# Altium PCB jetson-nano-0928-12.PcbDoc (part 4 of 6) (continued)
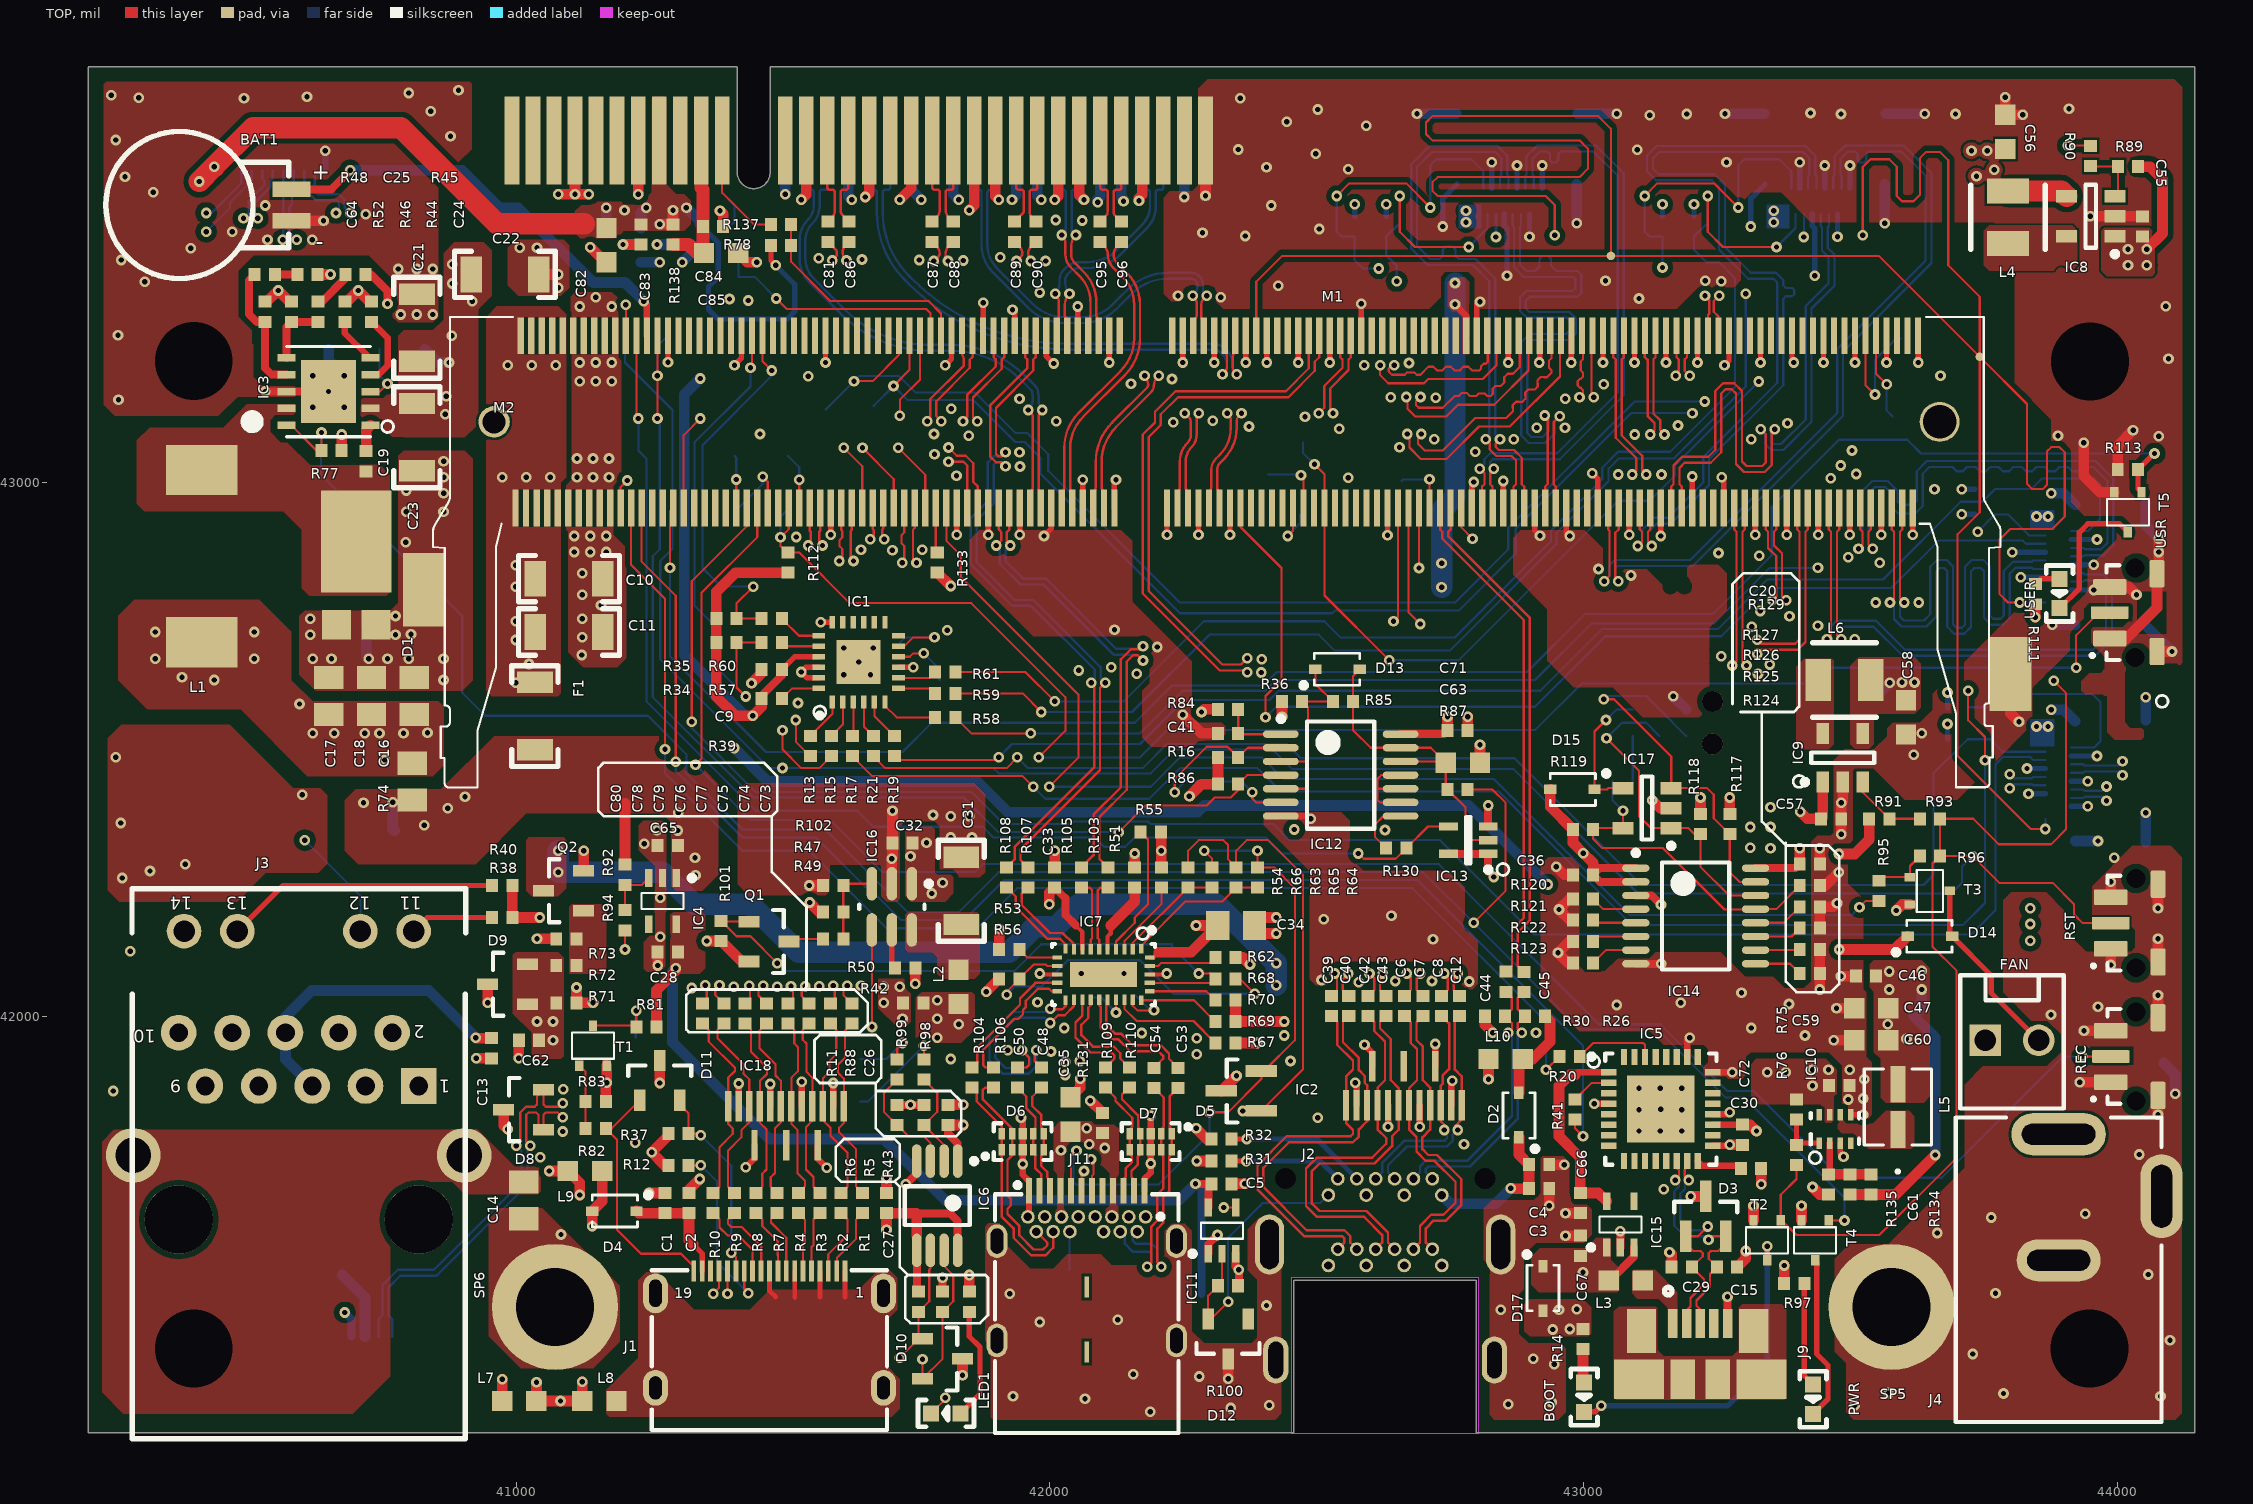
[diagram p0: TOP view]
## Nets (pads, with @x,y where several pads share a name; then routed paths per layer and width w, separated by ;. In a path a pad name is that pad's centre, name@x,y a point inside that pad or via, vN(x,y) a via of type N, cw(c..) or ccw(c..) an arc to the next point about the centre after c; other vN are vias at no path point) (continued)
PCIE0_CLK_P: J12.A13 M1.162 | length 997
  TOP w4.5: v1(41959.14,43136.47) 41964.63,43130.98 41966.73,43127.94 cw(c41957.38,43123.72) 41967.64,43123.72 41967.64,42993.09 cw(c41951.26,42993.09) 41965.76,42985.47 ccw(c41971.7,42979.53) 41963.3,42979.53 M1.162@41963.3,42952.76
  BOTTOM w4.5: J12.A13@41543.27,43641.26 41543.27,43553.59 ccw(c41547.77,43553.59) 41547.77,43549.09 41552.95,43549.09 cw(c41552.95,43544.59) 41557.45,43544.59 41557.45,43519.13 cw(c41521.16,43519.13) 41546.82,43493.47 ccw(c41585.45,43454.84) 41530.82,43454.84 41530.82,43420.46 ccw(c41594.93,43420.47) 41549.6,43375.14 41577.54,43347.19 41608.28,43316.45 ccw(c41774.82,43483) 41774.82,43247.47 41813.98,43247.47 cw(c41813.98,43061.96) 41945.15,43193.14 41964.96,43173.33 ; v1(41959.14,43136.47) 41959.82,43137.14 ccw(c41940.62,43156.32) 41967.65,43153.92 ccw(c41940.62,43156.35) 41967.69,43158.28 41966.92,43169.05 ccw(c41960.2,43168.55) 41964.96,43173.32
PCIE0_RX0_N: J12.A17 M1.131 | length 1037
  TOP w4.5: M1.131@42347.16,43275.59 42347.16,43248.48 cw(c42337.11,43248.48) 42346.24,43244.28 ccw(c42354.5,43236.02) 42342.82,43236.02 42342.82,43216.47 ccw(c42357.31,43216.46) 42347.06,43206.22 v1(42349.82,43203.47)
  BOTTOM w4.5: J12.A17@41700.75,43641.26 41700.76,43553.59 cw(c41696.26,43553.59) 41696.26,43549.09 41691.07,43549.09 ccw(c41691.07,43544.59) 41686.57,43544.59 41686.57,43506.99 ccw(c41855.33,43506.99) 41736,43387.66 41741.12,43382.54 ccw(c42035.82,43677.24) 42035.82,43260.47 42306.1,43260.47 cw(c42306.09,43229.74) 42327.82,43251.47 42332.82,43246.47 cw(c42311.09,43224.74) 42341.82,43224.74 42341.82,43214.47 ccw(c42349.06,43214.47) 42343.94,43209.35 v1(42349.82,43203.47)
PCIE0_RX0_P: J12.A16 M1.133 | length 1037.3
  TOP w4.5: v1(42323.32,43203.47) 42327.97,43208.12 ccw(c42318.69,43217.41) 42331.82,43217.41 42331.82,43236.41 ccw(c42323.01,43236.41) 42329.24,43242.64 cw(c42350.71,43251.51) 42327.48,43251.51 M1.133@42327.48,43275.59
  BOTTOM w4.5: J12.A16@41661.38,43641.26 41661.39,43553.59 ccw(c41665.89,43553.59) 41665.89,43549.09 41671.07,43549.09 cw(c41671.07,43544.59) 41675.57,43544.59 41675.57,43506.98 ccw(c41855.33,43506.99) 41728.22,43379.88 41733.34,43374.76 ccw(c42035.82,43677.24) 42035.82,43249.47 42306.09,43249.47 cw(c42306.09,43229.74) 42320.04,43243.69 42325.04,43238.69 cw(c42311.09,43224.74) 42330.82,43224.74 42330.82,43214.47 cw(c42322.37,43214.46) 42328.35,43208.49 v1(42323.32,43203.47)
PCIE0_RX1_N: J12.A22 M1.137 | length 816.9
  TOP w4.5: M1.137@42288.11,43275.59 42288.11,43301.72 cw(c42298.49,43312.1) 42283.81,43312.1 42283.81,43334.45 cw(c42298.34,43334.45) 42288.06,43344.72 v1(42293.82,43350.47)
  BOTTOM w4.5: J12.A22@41897.6,43641.26 41897.61,43553.59 cw(c41893.11,43553.59) 41893.11,43549.09 41887.92,43549.09 ccw(c41887.92,43544.59) 41883.42,43544.59 41882.82,43543.99 41882.82,43445.88 ccw(c41945.23,43445.88) 41901.1,43401.75 41967.32,43335.53 ccw(c42027.82,43396.03) 42027.82,43310.47 42061.82,43310.47 ccw(c42061.81,43387.72) 42116.44,43333.1 42127.82,43344.47 42145.82,43362.47 cw(c42220.67,43287.62) 42220.68,43393.47 42264.45,43393.47 cw(c42264.45,43371.1) 42286.82,43371.1 42286.82,43360.47 ccw(c42294.06,43360.47) 42288.94,43355.35 v1(42293.82,43350.47)
PCIE0_RX1_P: J12.A21 M1.139 | length 815.8
  TOP w4.5: v1(42267.32,43350.47) 42269.66,43348.12 cw(c42256,43334.48) 42271.87,43345.47 cw(c42256.01,43334.46) 42275.3,43334.92 ccw(c42298.34,43334.68) 42275.31,43334.44 42275.31,43321.86 cw(c42269.18,43321.85) 42275.28,43321.36 42275.26,43321.02 42275.26,43315.14 cw(c42269.97,43315.14) 42275.22,43314.49 ; M1.139@42268.42,43275.59 42268.42,43299.26 cw(c42280.03,43299.26) 42271.82,43307.47 ccw(c42263.38,43315.88) 42274.11,43310.7 ccw(c42263.39,43315.9) 42275.23,43314.49
  BOTTOM w4.5: J12.A21@41858.23,43641.26 41858.24,43553.59 ccw(c41862.74,43553.59) 41862.74,43549.09 41867.32,43549.09 cw(c41867.32,43544.59) 41871.82,43544.59 41871.82,43445.87 ccw(c41945.23,43445.88) 41893.32,43393.97 41959.54,43327.75 ccw(c42027.82,43396.04) 42027.82,43299.47 42061.83,43299.47 ccw(c42061.82,43387.72) 42124.22,43325.32 42135.6,43336.69 42153.6,43354.69 cw(c42220.67,43287.62) 42220.67,43382.47 42264.45,43382.47 cw(c42264.45,43371.1) 42275.82,43371.1 42275.82,43366.47 cw(c42257.71,43366.51) 42275.72,43364.61 cw(c42257.7,43366.46) 42270.52,43353.66 v1(42267.32,43350.47)
PCIE0_RX2_N: J12.A26 M1.149 | length 397.9
  TOP w4.5: v1@42048.65,43464.47 ccw(c42069.97,43443.15) 42039.84,43444.11 ccw(c42069.97,43443.32) 42039.82,43443.15 42039.82,43428.23 ccw(c42063.38,43428.23) 42046.72,43411.57 42063.82,43394.47 cw(c42008.06,43338.72) 42086.52,43346.56 cw(c42008.06,43338.73) 42086.91,43338.72 42086.91,43313.27 ccw(c42091.44,43313.26) 42087.35,43311.29 cw(c42077.95,43301.87) 42091.26,43301.87 M1.149@42091.25,43275.59
  BOTTOM w4.5: v1(42048.65,43464.47) 42040.82,43472.3 42040.82,43520.47 42040.9,43520.55 42040.9,43544.59 cw(c42045.4,43544.59) 42045.4,43549.09 42050.59,43549.09 ccw(c42050.59,43553.59) 42055.09,43553.59 J12.A26@42055.08,43641.26
PCIE0_RX2_P: J12.A25 M1.151 | length 397.1
  TOP w4.5: v1(42022.15,43464.47) cw(c42006.05,43448.37) 42028.82,43448.37 42028.82,43428.23 ccw(c42063.39,43428.23) 42038.94,43403.79 42056.04,43386.69 cw(c42008.07,43338.72) 42075.57,43345.47 cw(c42008.09,43338.53) 42075.66,43344.53 cw(c42008.07,43338.71) 42075.91,43338.72 42075.91,43314.19 cw(c42067.48,43314.19) M1.151@42074.59,43309.66 ; M1.151@42071.57,43275.59 42071.57,43302.4 cw(c42081.81,43302.4) M1.151@42074.57,43309.64
  BOTTOM w4.5: J12.A25@42015.71,43641.26 42015.72,43553.59 ccw(c42020.22,43553.59) 42020.22,43549.09 42025.4,43549.09 cw(c42025.4,43544.59) 42029.9,43544.59 42029.9,43525.11 42029.82,43525.03 42029.82,43472.14 v1(42022.15,43464.47)
PCIE0_RX3_N: J12.A30 M1.155 | length 480.2
  TOP w4.5: M1.155@42032.2,43275.59 42032.21,43301.87 ccw(c42018.9,43301.87) 42028.3,43311.29 cw(c42032.39,43313.26) 42027.85,43313.26 42027.85,43333.29 cw(c42057.72,43333.36) 42027.85,43333.42 cw(c42057.72,43333.29) v1(42036.6,43354.41)
  BOTTOM w4.5: v1(42036.6,43354.41) cw(c42055.38,43373.19) 42028.82,43373.19 42028.82,43380.11 cw(c42044.18,43380.11) 42033.32,43390.97 42037.82,43395.47 cw(c42054.72,43378.57) 42054.72,43402.47 42070.82,43402.47 ccw(c42070.82,43489.38) 42132.27,43427.92 42181.81,43477.46 ccw(c42141.79,43517.47) 42198.38,43517.47 42198.38,43544.59 cw(c42202.88,43544.59) 42202.88,43549.09 42208.07,43549.09 ccw(c42208.07,43553.59) 42212.57,43553.59 J12.A30@42212.56,43641.26
PCIE0_RX3_P: J12.A29 M1.157 | length 479.6
  TOP w4.5: v1(42010.1,43354.41) cw(c41993.8,43338.11) 42016.85,43338.11 42016.85,43314.19 cw(c42008.42,43314.19) M1.157@42015.53,43309.66 ; M1.157@42012.52,43275.59 42012.51,43302.4 cw(c42022.75,43302.4) M1.157@42015.51,43309.64
  BOTTOM w4.5: v1(42010.1,43354.41) ccw(c41991.46,43373.05) 42017.82,43373.05 42017.82,43380.12 cw(c42044.18,43380.11) 42025.54,43398.75 42030.04,43403.25 cw(c42054.72,43378.57) 42054.72,43413.47 42070.82,43413.47 ccw(c42070.82,43489.37) 42124.49,43435.7 42174.03,43485.24 ccw(c42141.8,43517.47) 42187.38,43517.47 42187.38,43544.59 ccw(c42182.88,43544.59) 42182.88,43549.09 42177.7,43549.09 cw(c42177.7,43553.59) 42173.2,43553.59 J12.A29@42173.19,43641.26
PCIE0_TX0_N: C86.2 M1.134 | length 1169.6
  TOP w4.5: v1(41618.82,43416.47) 41618.18,43417.1 cw(c41633.55,43432.46) 41611.82,43432.47 cw(c41628.96,43432.47) 41616.84,43444.59 C86.2@41623.82,43451.57 ; M1.134@42317.63,42952.76 42317.63,42980.19 ccw(c42307.32,42980.19) 42314.61,42987.48 cw(c42317.8,42990.67) 42313.29,42990.67 42313.29,42993.09 ccw(c42285.91,42993.12) 42313.29,42993.15 42313.29,43024.47 cw(c42331.32,43024.47) 42318.57,43037.22 42325.82,43044.47 ccw(c42267.88,43102.41) 42349.82,43102.41 42349.82,43115.47 cw(c42364.31,43115.48) 42354.06,43125.72 v1(42358.82,43130.47)
  L4_SIG w4.6: v1(41618.82,43416.47) 41614.17,43421.12 cw(c41623.61,43430.56) 41610.26,43430.56 41610.26,43433.97 cw(c41614.88,43433.97) 41611.79,43437.41 41616.5,43442.12 cw(c41622.15,43436.51) 41622.14,43444.47 41645.41,43444.47 cw(c41645.41,43364.08) 41702.25,43420.93 41707.28,43415.9 41779.25,43343.91 41830.45,43292.7 ccw(c41865.8,43328.07) 41865.82,43278.06 cw(c41865.82,43183.23) 41932.87,43250.29 42054.25,43128.91 ccw(c42162.5,43237.16) 42162.52,43084.07 42322.47,43084.07 ccw(c42322.46,43110.83) 42341.38,43091.9 42343.89,43094.41 ccw(c42328.58,43109.7) 42350.22,43109.7 42350.22,43112.47 cw(c42372.91,43112.46) 42356.87,43128.51 v1(42358.82,43130.47)
PCIE0_TX0_P: C81.2 M1.136 | length 1170.1
  TOP w4.5: C81.2@41583.82,43451.57 41598.95,43436.43 cw(c41594.45,43431.92) 41600.82,43431.93 41600.82,43429.47 cw(c41589.96,43429.47) 41597.64,43421.79 v1(41592.32,43416.47) ; M1.136@42297.95,42952.76 42297.95,42979.59 cw(c42306.35,42979.59) 42300.41,42985.53 ccw(c42285.91,42993.15) 42302.29,42993.15 42302.29,43024.46 cw(c42331.32,43024.48) 42310.79,43045 42318.04,43052.25 ccw(c42267.88,43102.41) 42338.82,43102.42 42338.82,43116.47 ccw(c42320.71,43116.48) 42333.52,43129.28 v1(42332.32,43130.47)
  L4_SIG w4.6: v1(41592.32,43416.47) ccw(c41576.53,43432.26) 41598.86,43432.26 41598.86,43433.96 cw(c41614.89,43433.98) 41603.86,43445.61 41608.42,43450.18 cw(c41622.13,43436.51) 41622.14,43455.87 41645.4,43455.87 cw(c41645.43,43364.08) 41710.32,43429 41720.38,43418.93 ; 41720.38,43418.92 41838.52,43300.77 ccw(c41865.81,43328.07) 41865.82,43289.47 cw(c41865.83,43183.24) 41940.94,43258.36 41976.82,43222.47 42062.32,43136.97 ccw(c42162.51,43237.16) 42162.51,43095.47 42322.46,43095.47 ccw(c42322.46,43110.83) 42333.32,43099.97 42335.82,43102.47 ccw(c42328.58,43109.71) 42338.82,43109.71 42338.82,43117.47 ccw(c42323.13,43117.46) 42334.22,43128.56 v1(42332.32,43130.47)
PCIE0_TX1_N: C88.2 M1.140 | length 837
  TOP w4.5: v1(41808.82,43415.47) cw(c41819.71,43426.36) 41804.31,43426.36 41804.31,43429.47 cw(c41822.66,43429.47) 41809.68,43442.45 C88.2@41818.82,43451.58 ; M1.140@42258.58,42952.76 42258.58,42980.2 ccw(c42248.29,42980.21) 42255.57,42987.48 cw(c42258.75,42990.67) 42254.24,42990.67 42254.24,43039.51 cw(c42293.78,43039.51) 42265.82,43067.47 ccw(c42244.09,43089.2) 42274.82,43089.2 42274.82,43120.81 cw(c42288.48,43120.81) v1(42278.82,43130.47)
  L4_SIG w4.6: v1(41808.82,43415.47) 41803.75,43410.39 ccw(c41814.66,43399.46) 41799.25,43400.61 ccw(c41814.67,43399.5) 41799.22,43399.47 41799.22,43396.47 ccw(c41812.28,43396.48) 41803.05,43387.24 41805.31,43384.97 41808.81,43381.46 ccw(c41823.27,43395.92) 41823.27,43375.47 41878.57,43375.47 cw(c41878.57,43266.22) 41955.81,43343.48 42073.42,43225.87 ; 42073.43,43225.87 42108.14,43191.14 ccw(c42171.57,43254.57) 42171.56,43164.87 42245.61,43164.87 cw(c42245.61,43143.26) 42260.89,43158.54 42262.38,43157.05 cw(c42246.79,43141.49) 42268.11,43147.03 ccw(c42282.23,43147.04) 42272.25,43137.05 v1(42278.82,43130.47)
PCIE0_TX1_P: C87.2 M1.142 | length 839
  TOP w4.5: C87.2@41778.81,43451.57 41787.94,43442.45 cw(c41774.96,43429.48) 41793.31,43429.47 cw(c41786.04,43429.47) 41791.18,43424.33 v1(41782.32,43415.47) ; M1.142@42238.89,42952.76 42238.89,42979.53 cw(c42247.29,42979.53) 42241.35,42985.47 ccw(c42226.85,42993.09) 42243.23,42993.09 42243.24,43039.5 cw(c42293.78,43039.52) 42258.04,43075.25 ccw(c42244.08,43089.19) 42263.81,43089.2 42263.82,43114.37 ccw(c42252.72,43114.37) 42263.77,43115.42 ccw(c42252.72,43114.37) 42260.57,43122.22 v1(42252.32,43130.47)
  L4_SIG w4.6: v1(41782.32,43415.47) 41784.81,43412.98 cw(c41777.56,43405.72) 41787.82,43405.72 41787.82,43396.43 ccw(c41812.23,43396.43) 41794.97,43379.17 41800.75,43373.39 ccw(c41823.26,43395.92) 41823.26,43364.07 41878.56,43364.07 cw(c41878.56,43266.22) 41947.75,43335.41 42070.75,43212.4 42100.07,43183.07 ccw(c42171.55,43254.58) 42171.55,43153.47 42245.58,43153.47 cw(c42245.58,43143.23) 42252.82,43150.47 42254.31,43148.98 cw(c42246.79,43141.48) 42257.07,43144.15 42257.07,43141.94 cw(c42240.85,43141.94) v1(42252.32,43130.47)
PCIE0_TX2_N: C90.2 M1.148 | length 705.5
  TOP w4.5: v1(41963.82,43415.47) cw(c41974.71,43426.36) 41959.31,43426.36 41959.31,43430.47 cw(c41975.22,43430.47) 41963.97,43441.72 C90.2@41973.82,43451.57 ; M1.148@42101.1,42952.76 42101.1,42980.19 ccw(c42090.79,42980.19) 42098.08,42987.48 cw(c42101.27,42990.67) 42096.76,42990.67 42096.76,43038.44 cw(c42190.82,43038.44) 42124.31,43104.95 42189.83,43170.44 ccw(c42177.87,43182.47) 42194.83,43182.47 cw(c42216.59,43182.47) 42199.14,43195.47 cw(c42216.57,43182.46) 42201.2,43197.85 v1(42203.82,43200.47)
  L4_SIG w4.6: v1(41963.82,43415.47) 41957.65,43409.3 ccw(c41964.48,43402.48) 41955.07,43404.62 cw(c41925.71,43401.55) 41955.23,43401.47 ccw(c41961.03,43401.46) 41956.93,43397.36 41957.81,43396.47 ccw(c41964.09,43402.75) 41964.1,43393.87 42010.8,43393.87 cw(c42010.8,43240.24) 42119.42,43348.89 42167.01,43301.28 cw(c42090.2,43224.48) 42198.82,43224.48 42198.82,43212.54 ccw(c42215.89,43212.54) v1(42203.82,43200.47)
PCIE0_TX2_P: C89.2 M1.150 | length 708
  TOP w4.5: C89.2@41933.81,43451.57 41943.64,43441.73 cw(c41932.38,43430.46) 41948.31,43430.47 cw(c41938.63,43430.48) 41945.47,43423.63 v1(41937.32,43415.47) ; M1.150@42081.41,42952.76 42081.41,42979.54 cw(c42089.77,42979.54) 42083.86,42985.45 42084.37,42986.4 ccw(c42077.21,42990.18) 42085.08,42988.32 42085.33,42989.35 ccw(c42069.37,42993.08) 42085.76,42993.08 42085.76,43038.45 cw(c42190.82,43038.44) 42116.53,43112.73 42181.85,43178.05 ccw(c42176.97,43182.93) 42183.87,43182.93 42183.87,43184.66 ccw(c42161.51,43184.65) 42181.08,43195.47 ccw(c42161.51,43184.66) v1(42177.32,43200.47)
  L4_SIG w4.6: v1(41937.32,43415.47) 41938.52,43414.27 cw(c41925.71,43401.47) 41943.82,43401.47 ccw(c41961.03,43401.46) 41948.86,43389.29 41949.75,43388.4 ccw(c41964.08,43402.76) 41964.1,43382.47 42010.79,43382.47 cw(c42010.79,43240.25) 42111.35,43340.82 42158.94,43293.21 cw(c42090.2,43224.46) 42187.42,43224.47 42187.42,43217.47 cw(c42170.76,43217.47) 42182.54,43205.69 v1(42177.32,43200.47)
PCIE0_TX3_N: C96.2 M1.154 | length 567.4
  TOP w4.5: M1.154@42042.04,42952.76 42042.04,42980.19 ccw(c42031.73,42980.19) 42039.02,42987.48 cw(c42042.21,42990.67) 42037.7,42990.67 42037.7,43064.53 cw(c42121.76,43064.53) 42062.32,43123.97 42140.32,43201.97 ccw(c42071.51,43270.78) 42168.82,43270.77 42168.82,43333.83 ccw(c42085.17,43333.82) 42144.32,43392.97 42126.04,43411.25 cw(c42142.26,43427.47) 42119.32,43427.47 cw(c42142.5,43427.47) 42126.11,43443.86 C96.2@42133.82,43451.57
PCIE0_TX3_P: C95.2 M1.156 | length 567.2
  TOP w4.5: M1.156@42022.36,42952.76 42022.36,42979.53 cw(c42030.76,42979.53) 42024.82,42985.47 ccw(c42010.32,42993.09) 42026.7,42993.09 42026.7,43064.53 cw(c42121.76,43064.53) 42054.54,43131.75 42132.54,43209.75 ccw(c42071.51,43270.78) 42157.82,43270.78 42157.82,43333.82 ccw(c42085.17,43333.82) 42136.54,43385.19 42118.26,43403.47 cw(c42142.26,43427.47) 42108.32,43427.47 ccw(c42085.14,43427.47) 42101.53,43443.86 C95.2@42093.82,43451.57
PCIE1_CLK_N: J10.5 M1.173 | length 1813.3
  TOP w4.5: v1(41796.57,43115.47) 41786.82,43125.22 41786.82,43152.52 41849.82,43215.52 41849.82,43230.47 41855.03,43235.68 M1.173@41855.04,43275.59
  L4_SIG w4.6: v1(40515.32,43495.47) 40508.82,43488.97 40508.82,43441.47 40528.82,43421.47 40624.82,43421.47 40643.82,43440.47 40919.94,43440.47 41092.94,43267.47 41678.82,43267.47 41789.02,43157.27 41789.02,43123.02 v1(41796.57,43115.47)
  BOTTOM w4.5: v1(40515.32,43495.47) 40509.82,43500.97 40509.82,43524.47 40539.32,43553.97 40539.32,43565.98 40543.67,43570.33 J10.5@40543.66,43584.77
PCIE1_CLK_P: J10.4 M1.175 | length 1813.1
  TOP w4.5: v1(41770.07,43115.47) 41775.82,43121.22 41775.82,43157.08 41838.82,43220.08 41838.82,43233.46 41835.35,43239.54 M1.175@41835.35,43275.59
  L4_SIG w4.6: v1(40488.82,43495.47) 40497.42,43486.87 40497.42,43436.74 40524.09,43410.07 40629.55,43410.07 40648.55,43429.07 40915.21,43429.07 41088.21,43256.07 41674.09,43256.07 41777.62,43152.54 41777.62,43123.02 v1(41770.07,43115.47)
  BOTTOM w4.5: v1(40488.82,43495.47) 40498.82,43505.47 40498.82,43529.03 40528.32,43558.53 40528.32,43565.98 40523.98,43570.32 J10.4@40523.98,43584.77
PCIE1_CLKREQ: J10.3 M1.182 | length 1839.4
  TOP w4: v1(41715.82,43065.47) 41766.45,43014.84 M1.182@41766.45,42952.76
  L4_SIG w5: v1(40418.82,43470.47) 40418.82,43440.47 40548.82,43310.47 40698.82,43310.47 40748.82,43360.47 40843.82,43360.47 40923.82,43280.47 40923.82,43225.47 40998.82,43150.47 41630.82,43150.47 v1(41715.82,43065.47)
  BOTTOM w4: v1(40418.82,43470.47) 40463.82,43515.47 40463.82,43525.47 40504.3,43565.95 J10.3@40504.29,43584.77
PCIE1_RST: J10.2 M1.183 | length 1837.7
  TOP w4: v1(41718.82,43125.47) 41718.82,43155.47 41756.61,43193.26 M1.183@41756.61,43275.59
  L4_SIG w5: v1(40418.82,43505.47) 40438.82,43485.47 40438.82,43442.04 40555.14,43325.72 40619.07,43325.72 40673.82,43380.47 40843.82,43380.47 40952.1,43272.19 40952.1,43218.76 41010.39,43160.47 41683.82,43160.47 v1(41718.82,43125.47)
  BOTTOM w4: v1(40418.82,43505.47) 40428.82,43505.47 40484.61,43561.26 J10.2@40484.61,43584.77
PCIE1_RX0_N: J10.9 M1.167 | length 1689.7
  TOP w4.5: v1(41863.57,43115.47) 41855.82,43123.22 41855.82,43159.91 41909.75,43213.84 41909.75,43230.96 41914.09,43235.3 M1.167@41914.09,43275.59
  L4_SIG w4.6: v1(40688.82,43505.47) 40680.22,43496.87 40680.22,43486.47 40684.82,43481.87 40932.43,43481.87 41109.43,43304.87 41692.43,43304.87 41856.02,43141.28 41856.02,43123.02 v1(41863.57,43115.47)
  BOTTOM w4.5: J10.9@40622.4,43584.77 40622.41,43559.25 40619.5,43556.34 40619.5,43549.97 40629,43540.47 40667.88,43540.47 40678.82,43529.53 40678.82,43515.47 v1(40688.82,43505.47)
PCIE1_RX0_P: J10.8 M1.169 | length 1688.2
  TOP w4.5: v1(41837.07,43115.47) 41844.82,43123.22 41844.82,43164.47 41898.75,43218.4 41898.75,43230.96 41894.4,43235.31 M1.169@41894.41,43275.59
  L4_SIG w4.6: v1(40662.32,43505.47) 40668.82,43498.97 40668.82,43481.74 40680.09,43470.47 40927.7,43470.47 41104.7,43293.47 41687.7,43293.47 41808.43,43172.72 41844.62,43136.55 41844.62,43123.02 v1(41837.07,43115.47)
  BOTTOM w4.5: J10.8@40602.72,43584.77 40602.72,43559.24 40608.5,43553.46 40608.5,43545.41 40624.44,43529.47 40663.32,43529.47 40667.82,43524.97 40667.82,43510.97 v1(40662.32,43505.47)
PCIE1_TX0_N: J10.7 M1.172 | length 2018
  TOP w4.5: v1(41809.82,43066.22) 41825.32,43050.72 41842.13,43050.72 41856.19,43036.66 41856.19,43001.73 41864.88,42993.04 M1.172@41864.88,42952.76
  L4_SIG w4.6: v1(40588.82,43455.47) 40573.72,43470.57 40573.72,43502.37 40606.82,43535.47 40993.81,43535.47 41160.21,43369.07 41694.21,43369.07 41896.42,43166.86 41896.42,43097.07 41850.47,43051.12 41824.92,43051.12 v1(41809.82,43066.22)
  BOTTOM w4.5: J10.7@40583.03,43584.77 40583.04,43559.25 40574.35,43550.56 40574.35,43539.84 40579.82,43534.37 40579.82,43521.84 40574.35,43516.37 40574.35,43503.84 40579.82,43498.37 40579.82,43485.84 40574.35,43480.37 40574.35,43469.94 v1(40588.82,43455.47)
PCIE1_TX0_P: J10.6 M1.174 | length 2015.7
  TOP w4.5: v1(41809.82,43039.72) 41837.57,43039.72 41845.19,43032.1 M1.174@41845.19,42952.76
  L4_SIG w4.6: v1(40562.32,43455.47) 40562.32,43507.1 40602.09,43546.87 40998.54,43546.87 41164.94,43380.47 41698.94,43380.47 41907.82,43171.59 41907.82,43092.34 41855.2,43039.72 v1(41809.82,43039.72)
  BOTTOM w4.5: v1(40562.32,43455.47) 40563.35,43456.5 J10.6@40563.35,43584.77
PEX_L0_CLKREQ_N: M1.180 R133.1 | length 84.5
  TOP w4: M1.180@41786.14,42952.76 41786.14,42872.06 R133.1@41788.82,42869.38
PEX_L0_RST_N: M1.181 R33.2 R136.2 | length 496.3
  TOP w4: v1(41487.2,43345.47) 41507.21,43325.47 41768.82,43325.47 41776.29,43318 M1.181@41776.3,43275.59
  BOTTOM w4: R136.2@41403.82,43446.57 41403.82,43424.92 41416.54,43412.2 R33.2@41416.54,43385.83 41446.85,43385.83 v1(41487.2,43345.47)
PMIC_BBAT: BAT1.+ M1.235 | length 843.5
  TOP w12: v1(41238.82,43340.47) 41244.8,43334.49 M1.235@41244.8,43275.59
  TOP w15: BAT1.+@40578.82,43550 40653.35,43550 v1(40688.82,43585.47)
  BOTTOM w20: v1(40688.82,43585.47) 40898.82,43585.47 40968.81,43515.48 41003.81,43515.48 41143.82,43375.47 41203.82,43375.47 v1(41238.82,43340.47)
PWR_EN: IC13.4 M1.237 R130.1 TP27.1 | length 2357.3
  TOP w4: M1.237@41225.11,43275.59 41225.11,43124.18 v1(41228.82,43120.47) ; v1(42577.82,42305.47) 42587.82,42295.47 42647.72,42295.47 R130.1@42667.72,42315.47 42708.31,42356.06 IC13.4@42746.42,42356.06
  BOTTOM w4: v1(41228.82,43120.47) TP27.1@41228.82,43060.47 41243.82,43045.46 41243.82,42590.47 41448.82,42385.47 41638.82,42385.47 41668.82,42355.47 41873.82,42355.47 41893.82,42335.47 42083.82,42335.47 42101.32,42317.97 42141.32,42317.97 42158.82,42335.47 42403.82,42335.47 42433.82,42305.47 v1(42577.82,42305.47)
PWR_GOOD: IC3.10 R77.1 R87.1 T4.1 TP40.1 | length 4185.7
  TOP w4: IC3.10@40569.35,43108.06 40578.23,43108.06 40625.82,43060.47 R77.1@40634.92,43060.47 v1(40634.92,43094.37) ; R87.1@42782.72,42425.47 42828.82,42425.47 42853.82,42400.47 42853.82,42235.47 v1(42793.82,42175.47) ; T4.1@43459.41,41617.87 v1(43488.82,41617.87)
  BOTTOM w4: v1(40634.92,43094.37) 40633.82,43093.27 TP40.1@40633.82,43015.47 40898.82,42750.47 40898.82,42606.47 40941.82,42563.47 41246.82,42563.47 41318.82,42491.47 41318.82,42455.46 41423.81,42350.47 41578.82,42350.47 41733.82,42195.47 41828.82,42195.47 41903.82,42270.47 42698.82,42270.47 v1(42793.82,42175.47) 42993.82,41975.47 43138.82,41975.47 43266.32,41847.97 43301.32,41847.97 43488.82,41660.47 v1(43488.82,41617.87)
Q: D13.C IC12.3 IC12.5 R36.1 R85.1 | length 399.1
  TOP w4: IC12.5@42432.62,42426.74 42479.8,42426.74 42483.8,42430.74 42483.8,42477.92 ; IC12.3@42432.62,42477.92 42483.8,42477.92 ; D13.C@42497.28,42650.47 42497.28,42623.12 R85.1@42529.93,42590.47 R36.1@42472.72,42590.47 42483.8,42579.39 42483.8,42477.92
QDEL: C63.2 D13.A IC12.12 IC12.13 IC13.2 R85.2 R87.2 | length 597.6
  TOP w4: D13.A@42580.36,42650.47 42567.73,42637.84 R85.2@42567.73,42590.47 42567.73,42536.56 42600.78,42503.51 IC12.13@42657.02,42503.51 42713.69,42503.51 C63.2@42739.28,42477.92 ; IC12.12@42657.02,42477.92 C63.2@42739.28,42477.92 ; IC13.2@42821.22,42330.47 42788.82,42330.47 42778.82,42340.47 42778.82,42391.57 R87.2@42744.92,42425.47 42741.73,42428.66 C63.2@42741.73,42475.47 C63.2@42739.28,42477.92
S\D\_\V\C\C\_\E\N\: M1.211
SHIELD: J9.S
SHIELD_OTG: J5.S L7.1 | length 40.8
  TOP w20: L7.1@40973.59,41279.47 v1(40973.59,41320.24)
SN_WP: IC14.13 IC17.5 R119.2 R129.2 R132.1 | length 631.5
  TOP w4: v1(43073.82,42385.47) 43073.82,42353.34 IC17.5@43073.54,42353.06 43020.32,42353.06 R119.2@43017.73,42350.47 43017.73,42332.56 43034.82,42315.47 43148.82,42315.47 43263.82,42200.47 43321.46,42200.47 IC14.13@43322.13,42201.14 43360.59,42201.14 R129.2@43404.92,42245.47
  BOTTOM w4: R132.1@43054.12,42441 43054.12,42405.17 v1(43073.82,42385.47)
TMDS_C1_CLK_N: C80.2 IC18.12 R10.1 | length 366.4
  TOP w4.1: C80.2@41348.82,41986.58 41360.72,41974.68 41360.72,41952.89 41409.82,41903.79 41409.82,41897.99 41397.35,41885.52 IC18.12@41397.35,41831.7 41397.35,41798.5 41405.72,41790.13 41405.72,41780.14 41380.77,41755.19 41380.77,41681.32 R10.1@41368.82,41669.37
TMDS_C1_CLK_P: C78.2 IC18.10 R9.1 | length 368.4
  TOP w4.1: C78.2@41388.82,41986.57 41376.82,41974.57 41376.82,41959.56 41425.92,41910.46 41425.92,41892.93 41436.72,41882.13 IC18.10@41436.72,41831.7 41436.72,41801.89 41421.82,41786.99 41421.82,41773.47 41396.87,41748.52 41396.87,41681.32 R9.1@41408.82,41669.37
TMDS_C1_D0_N: C79.2 IC18.9 R8.1 | length 353.1
  TOP w4.1: C79.2@41428.82,41986.57 41439.72,41975.67 41439.72,41933.8 41469.72,41903.8 41469.72,41892.37 41456.41,41879.06 IC18.9@41456.41,41831.7 41456.41,41800.87 41468.82,41788.46 41468.82,41713.48 41460.78,41705.44 41460.78,41681.32 R8.1@41448.83,41669.37
TMDS_C1_D0_P: C76.2 IC18.7 R7.1 | length 351.9
  TOP w4.1: C76.2@41468.82,41986.57 41455.82,41973.57 41455.82,41940.47 41485.82,41910.47 41485.82,41889.47 41495.78,41879.51 IC18.7@41495.78,41831.7 41495.78,41801.44 41484.92,41790.58 41484.92,41706.81 41476.88,41698.77 41476.88,41681.31 R7.1@41488.82,41669.37
TMDS_C1_D1_N: C77.2 IC18.6 R4.1 | length 345.6
  TOP w4.1: C77.2@41508.82,41986.58 41520.72,41974.68 41520.72,41949.8 41527.72,41942.8 41527.72,41897.37 41515.46,41885.11 IC18.6@41515.46,41831.7 41515.46,41798.83 41526.72,41787.57 41526.72,41706.8 41540.77,41692.75 41540.77,41681.32 R4.1@41528.82,41669.37
TMDS_C1_D1_P: C75.2 IC18.4 R3.1 | length 345.4
  TOP w4.1: C75.2@41548.82,41986.57 41536.82,41974.57 41536.82,41956.47 41543.82,41949.47 41543.82,41896.47 41554.83,41885.46 IC18.4@41554.83,41831.7 41554.83,41804.48 41542.82,41792.47 41542.82,41713.47 41556.87,41699.42 41556.87,41681.32 R3.1@41568.82,41669.37
TMDS_C1_D2_N: C74.2 IC18.3 R2.1 | length 356.3
  TOP w4.1: C74.2@41588.82,41986.57 41599.72,41975.67 41599.72,41929.14 41586.72,41916.14 41586.72,41895.89 41574.52,41883.69 IC18.3@41574.52,41831.7 41574.52,41805.77 41588.82,41791.47 41588.82,41776.47 41620.77,41744.52 41620.77,41681.32 R2.1@41608.82,41669.37
TMDS_C1_D2_P: C73.2 IC18.1 R1.1 | length 354.5
  TOP w4: 41604.92,41791.56 41613.89,41800.53 IC18.1@41613.89,41805.06
  TOP w4.1: 41604.92,41791.56 41604.92,41783.14 41636.87,41751.19 41636.87,41681.32 R1.1@41648.82,41669.37 ; IC18.1@41613.89,41805.06 IC18.1@41613.89,41831.7 41613.89,41883.4 41602.82,41894.47 41602.82,41909.47 41615.82,41922.47 41615.82,41973.57 C73.2@41628.82,41986.57
TMDS_CEC: M1.94 TP26.1 | length 107.5
  TOP w4: M1.94@42711.33,42952.76 v1(42711.33,43006.47)
  BOTTOM w4: TP26.1@42658.82,43003.47 42661.82,43006.47 v1(42711.33,43006.47)
TMDS_CEC_IN: D11.2 J1.14 R37.1 | length 375.8
  TOP w4: D11.2@41306.22,41843.07 41306.22,41835.07 41322.72,41818.57 R37.1@41322.72,41780.47 41342.82,41780.47 v1(41345.82,41777.47) ; v1(41402.82,41557.47) 41411.45,41548.84 J1.14@41411.45,41522.68
  BOTTOM w4: v1(41345.82,41777.47) 41402.82,41720.47 v1(41402.82,41557.47)
TMDS_CLK_C_N: J1.12 R10.2 | length 151.3
  TOP w4.1: R10.2@41368.82,41631.57 41380.77,41619.62 41380.77,41604.8 41396.1,41589.47 41416.06,41589.47 41442.82,41562.71 41442.82,41552.19 41442.94,41552.07 J1.12@41442.95,41522.68